# Altium PCB CameraControler0.3.PcbDoc (part 2 of 2) (continued)
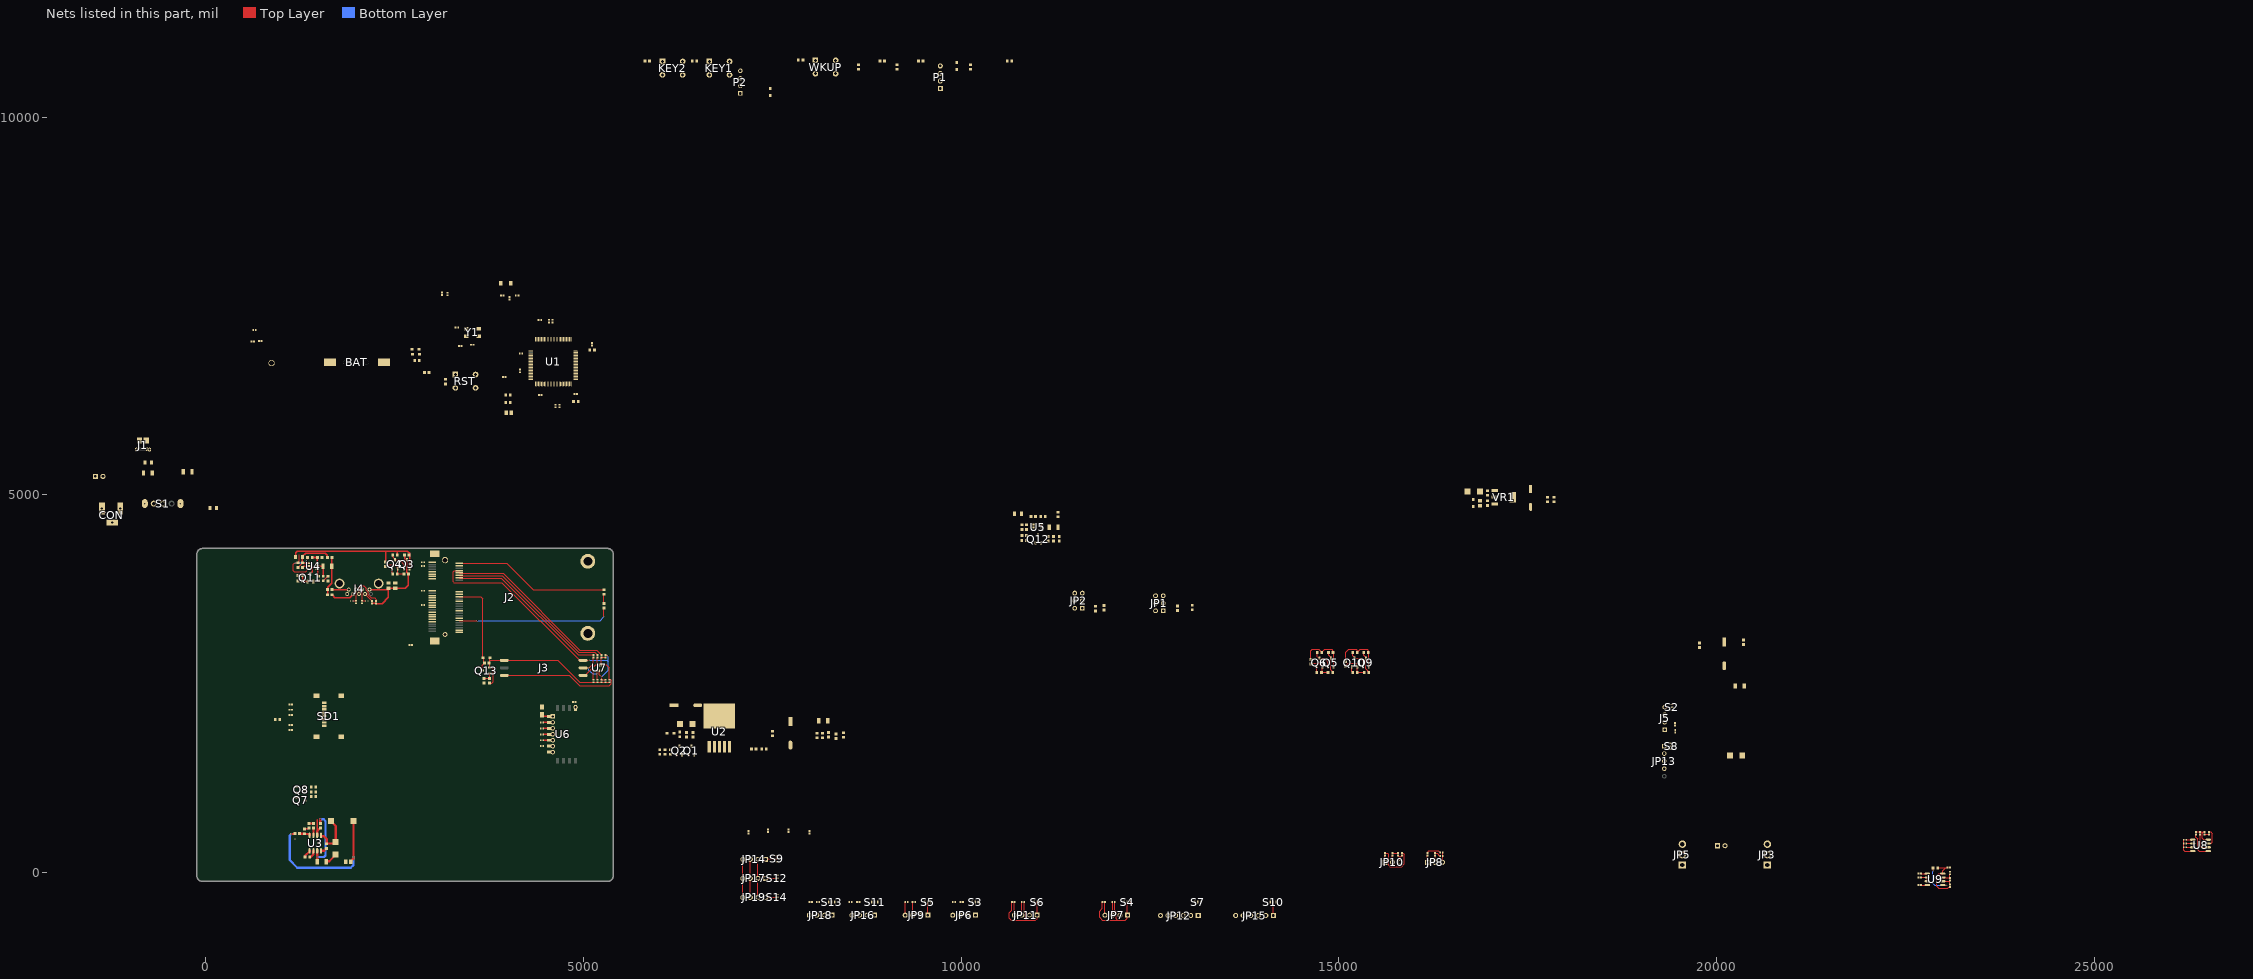
[diagram p2: the nets of this part, all layers, seen from the top]
## Part data (continued)
U6: library part MT8266WIFI, "MT8266WIFI"
U7: library part SMF05CT1G_[C15879]_i, "TVS", Package=SC-70-6(SOT-363), SuppliersPartNumber=C15879, ComponentLink1Description=供应商链接, ComponentLink1URL=http://www.szlcsc.com/product/details_16561.html, Supplier=LC
U8: "EEROM"
U9: library part MAX3485
VR1: library part "SOT-223 AMS1117-3.3", "低压差线性稳压(LDO)", Package=SOT-223, SuppliersPartNumber=C6186, ComponentLink1Description=供应商链接, ComponentLink1URL=http://www.szlcsc.com/product/details_6652.html, Supplier=LC
Y1: library part "XTAL SMD-5032_4P 8MHz 10ppm 20pF", "贴片晶振; 402F40012IKR; 8MHz 10ppm 20pF -40C +85C", CLASS=IC
Y2: library part "XTAL SMD-3215_2P 32.768KHz 20ppm 12.5pF", "贴片晶振", Package=SMD-3215_2P, SuppliersPartNumber=C32346, ComponentLink1Description=供应商链接, ComponentLink1URL=http://www.szlcsc.com/product/details_33310.html, Supplier=LC

## Via types
v1: diameter 23.62, hole 13.78, Top Layer to Bottom Layer, 60 vias
v2: diameter 20, hole 10, Top Layer to Bottom Layer, 9 vias
v3: diameter 24, hole 16, Top Layer to Bottom Layer, 4 vias
v4: diameter 157.48, hole 118.11, Top Layer to Bottom Layer, 4 vias
v5: diameter 20, hole 16, Top Layer to Bottom Layer, 2 vias

## Nets (pads, with @x,y where several pads share a name; then routed paths per layer and width w, separated by ;. In a path a pad name is that pad's centre, name@x,y a point inside that pad or via, vN(x,y) a via of type N, cw(c..) or ccw(c..) an arc to the next point about the centre after c; other vN are vias at no path point)
3.3V_VCC: C18.1 D1.1 D3.1 LED1.A LED2.A LED3.A R2.1 R15.1 R16.1 R20.1 R21.1 R22.1 R23.1 R24.1 SD1.4
3.3V_VCC.: R7.1 R9.1
3.3V_VDD: C10.1 C11.1 C12.1 C13.1 C14.1 C15.1 R6.1 U1.11 U1.19 U1.28 U1.50 U1.75 U1.100
+3.3V_VCC: C20.2 C21.1 C32.2 C50.1 Q5.2 R42.2 R44.2 R123.1 R124.1 R126.2 U8.8 VR1.2 | length 963.6
  Top Layer w11.81: C32.2@14630,2820.32 14630,2938.05 14646.95,2955 14736.3,2955 R42.2@14775.31,2915.98 ; R42.2@14775.31,2915 R42.2@14775.31,2915.98 ; Q5.2@14932.4,2722.26 14932.4,2917.76 14921.95,2928.21 14921.95,2938.05 14905,2955 14814.33,2955 R42.2@14775.31,2915.98 ; R123.1@26350,538.46 R124.1@26405,538.46 26428.08,538.46 26435,531.55 26435,523.46 ; C50.1@26465,538.46 26450,538.46 26439.04,527.51 26435,523.46 ; U8.8@26512.36,434.61 26455.39,434.61 26435,455 26435,523.46
+3.3V_VCC_4G: J2.2 J2.39 J2.41 J2.52 R28.2 R72.2 R75.1 | length 2059.1
  Top Layer w11.81: J2.2@3355,4092.95 3987.05,4092.95 4335,3745 R72.2@5270,3745
+3.3V_VCC_OUT3.3: C36.2 JP2.2 JP2.4 JP2.6 Q5.3 R44.1 R54.2 R101.1 S2.1 S3.1 S4.1 S5.1 S6.1 S7.1 S8.1 S9.1 S10.1 S11.1 S12.1 S13.1 S14.1 | length 287.4
  Top Layer w11.81: R44.1@14864.68,2915 14864.68,2877.99 14873.04,2869.64 14873.61,2869.64 14895,2848.25 Q5.3@14895,2838.4 14895,2683.58 14919.63,2658.95 C36.2@14919.63,2650.65
+3.3V_VCC_WiFi: C44.1 R41.2 U6.1 | length 114.3
  Top Layer w19.68: C44.1@4452.12,2088.43 4452.12,2083.35 4468.86,2066.61 U6.1@4554.45,2066.61
+5V_VBAT: R25.2 R26.2 S1.2
+5V_VBAT_IN: C29.2 C38.2 D4.1 D5.1 D6.2 D7.1 D10.1 F3.2 F4.2 F5.2 Q3.2 Q9.2 R35.2 R37.2 R55.2 R56.2 | length 2700.3
  Top Layer w10: C38.2@15090,2795 15090,2915 15130,2955 15229.68,2955 15245.31,2939.37 R55.2@15245.31,2915.98 ; R55.2@15245.31,2915 R55.2@15245.31,2915.98 ; Q9.2@15397.72,2722.26 15397.72,2907.91 R56.2@15390.63,2915 15390.63,2939.37 15375,2955 15285.31,2955 15259.6,2929.29 15258.62,2929.29 R55.2@15245.31,2915.98
  Top Layer w19.68: F4.2@1190,4177.28 1190,4235 1212.2,4257.2 2380.25,4257.2 ; C29.2@2380.25,4112.52 2380.25,4257.2 ; R35.2@2537.64,4206.63 2537.64,4257.2 ; Q3.2@2698.78,4024.47 2698.78,4224.8 2666.37,4257.2 2537.64,4257.2 ; 2380.25,4257.2 2537.64,4257.2
  Top Layer w23.62: F4.2@1189.92,4177.2 F4.2@1190,4177.28 ; R35.2@2534.29,4203.29 R35.2@2537.64,4206.63
+5V_VCC_CAM: R57.2 R88.1 R89.1 R136.2 | length 519.7
  Top Layer w15.75: R57.2@1668.9,4057.2 R57.2@1669.88,4058.19 ; R136.2@1669.88,4171.22 R136.2@1670.86,4172.2
  Top Layer w19.68: R89.1@1609.68,3677.83 1615,3683.15 1615,3775 1668.9,3828.9 R57.2@1668.9,4057.2 ; R57.2@1669.88,4058.19 R136.2@1669.88,4171.22
+5V_VCC_OUT: JP4.1 R65.2 R137.2
+5V_VCC_OUT5: C41.2 JP1.1 JP1.3 JP1.5 Q9.3 R46.2 R56.1 S2.3 S3.3 S4.3 S5.3 S6.3 S7.3 S8.3 S9.3 S10.3 S11.3 S12.3 S13.3 S14.3 | length 292.7
  Top Layer w11.81: R56.1@15330,2915 15330,2877.99 15338.35,2869.64 15338.92,2869.64 15360.31,2848.25 Q9.3@15360.31,2838.4 15360.31,2698.27 15385.31,2673.27 15385.31,2663.05 C41.2@15397.72,2650.65
+5V_VCC_USB: C30.2 C51.2 C52.2 J4.1 Q3.3 R37.1 R84.2 R125.2 | length 1359.5
  Top Layer w10: R37.1@2622.69,4203.28 R37.1@2622.69,4217.2
  Top Layer w19.68: J4.1@2167.8,3746.89 2169.86,3744.83 2393.31,3744.83 2411.95,3763.46 C51.2@2418.05,3763.46 ; R84.2@2200,3562.4 R125.2@2255,3562.4 2256.97,3560.43 2297.32,3560.43 2297.75,3560 2335,3560 2418.05,3643.05 C51.2@2418.05,3763.46 ; R37.1@2631.06,4203.28 2631.06,4149.8 2640.25,4140.61 Q3.3@2661.37,4140.61 2661.37,3975.79 C30.2@2683.32,3953.84 ; C30.2@2683.32,3952.85 2683.32,3806.54 2640.25,3763.46 C52.2@2508.05,3763.46 C51.2@2418.05,3763.46
ADC_CH1: R100.2 R132.1 U1.15 | length 199.6
  Top Layer w11.81: R100.2@16175,258.46 16175.98,258.46 16175.98,270.98 16195,290 16318.27,290 16336.38,271.89 16337.36,271.89 16343.27,265.98 R132.1@16343.27,265
ADC_CH2: R103.2 R104.1 U1.16 | length 84.8
  Top Layer w11.81: R103.2@16275,258.46 16280.91,252.56 16302.44,252.56 16334.02,220.98 16343.27,220.98 R104.1@16343.27,220
ADC_CH3: R106.2 R107.1 U1.17 | length 607.5
  Top Layer w11.81: R106.2@15610,258.46 15649.09,258.46 15660,247.56 15660,95 15675,80 15835,80 15870,115 15870,243.46 15855,258.46 R107.1@15835,258.46
ADC_CH4: R108.2 R109.1 U1.18 | length 75
  Top Layer w11.81: R108.2@15710,258.46 R109.1@15785,258.46
BOOT0: R7.2 R8.1 U1.94
BOOT1: R9.2 R10.1 U1.37
Cam_Connect: J4.8 R84.1 U1.4 | length 130.3
  Top Layer w11.81: J4.8@2108.74,3687.83 2108.74,3686.14 2199.02,3595.86 R84.1@2200,3595.86
Cam_TakePhoto: J4.7 R125.1 U1.5 | length 452.2
  Top Layer w10: J4.7@2030,3687.83 2030,3775 2035,3780 2050,3795 2093.46,3795 2125,3763.46 2125,3735 2148.66,3711.34 2148.66,3674.9 2187.31,3636.26 2233.74,3636.26 2255,3615 R125.1@2255,3595.86
EC25_DTR: R80.1 U1.60
EC25_PERST#: R73.1 U1.61
EC25_RI: R81.1 U1.57
EC25_W_DISABLE: R83.2 U1.88
EC25_WAKE#: R82.1 U1.62
GND: BAT.2 C1.1 C2.2 C3.1 C4.1 C5.2 C6.1 C7.2 C8.1 C9.1 C10.2 C11.2 C12.2 C13.2 C14.2 C15.2 C16.2 C17.2 C18.2 C19.1 C20.1 C21.2 C22.1 C23.2 C24.1 C25.2 C26.1 C27.1 C28.1 C29.1 C30.1 C32.1 C33.2 C34.2 C35.1 C36.1 C38.1 C40.1 C41.1 C43.1 C44.2 C45.1 C46.1 C47.1 C48.1 C49.1 C50.2 C51.1 C52.1 C53.2 C54.1 CON.2 CON.3 D6.1 D9.1 D11.1 D13.1 D14.2 D15.2 J1.5 J1.Shell J2.4 J2.9 J2.15 J2.18 J2.21 J2.26 J2.27 J2.29 J2.34 J2.35 J2.37 J2.40 J2.43 J2.50 J2.53 J2.54 J2.MH1 J2.MH2 J2.MH3 J2.MH4 J3.4 J4.5 J4.Shell J5.4 JP1.2 JP1.4 JP1.6 JP2.1 JP2.3 JP2.5 JP3.3 JP4.2 JP5.3 JP6.2 JP7.2 JP8.3 JP9.2 JP10.3 JP11.2 JP12.2 JP13.2 JP14.2 JP15.2 JP16.2 JP17.2 JP18.2 JP19.2 JP20.2 KEY1.2 KEY2.2 LED11.K LED12.K LED13.K LED14.K LED15.K LED16.K LED18.K P1.4 P2.2 Q1.2 Q2.2 Q4.2 Q6.2 Q7.2 Q8.2 Q10.2 Q11.2 Q12.2 Q13.2 R8.2 R10.2 R31.1 R33.1 R38.1 R39.1 R47.1 R49.1 R51.2 R52.1 R53.1 R61.2 R62.1 R64.2 R69.2 R71.2 R74.2 R85.2 R86.2 R87.2 R90.2 R104.2 R107.2 R109.2 R122.1 R132.2 RST.1 S1.0 SD1.6 SD1.9 SD1.10 SD1.11 SD1.12 U1.10 U1.20 U1.27 U1.74 U1.99 U2.0 U2.3 U3.5 U6.7 U7.2 U8.4 U9.5 VR1.1 WKUP.2 Y1.2 Y1.4 | length 5069.5
  Top Layer w10: 3759.21,2810 3759.21,2843.71 D13.1@3760.5,2845 ; J3.4@3951.69,2810 4660,2810 4950,2520 C47.1@5131.73,2520 C48.1@5184.57,2520 C49.1@5237.24,2520 ; C49.1@5237.4,2520 C46.1@5343.07,2520 ; v2(22869.37,23.9) C53.2@22869.37,61.54 ; U9.5@22997.36,-165 v2(23050,-165)
  Top Layer w11.81: C29.1@2380.25,4051.89 2385.57,4057.2 2405.25,4057.2 2425.25,4077.2 2525.25,4077.2 2537.64,4064.82 2537.64,4028.2 Q4.2@2541.37,4024.47 R39.1@2541.37,3959.66 ; R39.1@2540.25,3958.54 R39.1@2541.37,3959.66 ; C30.1@2622.69,3952.85 2548.19,3952.85 R39.1@2541.37,3959.66 ; R74.2@3756.83,2508.94 3788.94,2508.94 3805,2525 3805,2693.94 3786.53,2712.4 Q13.2@3759.21,2712.4 3759.21,2810 J3.4@3951.69,2810 ; JP19.2@7310,-330 JP17.2@7310,-77.5 JP14.2@7310,175 ; C32.1@14630,2759.69 14642.4,2772.09 14732.58,2772.09 14765.67,2738.99 14775.51,2738.99 14782.4,2732.1 Q6.2@14782.4,2722.26 14782.4,2662.74 R49.1@14770.32,2650.65 C36.1@14859,2650.65 ; C38.1@15090,2734.37 15090.98,2734.37 15128.7,2772.09 15229.68,2772.09 15240.51,2761.26 15240.51,2729.15 Q10.2@15247.4,2722.26 15247.4,2652.74 R62.1@15245.31,2650.65 C41.1@15337.09,2650.65 ; R109.2@15785,225 15785.98,225 15810,200.98 ; JP10.3@15810,135 15810,200.98 ; R107.2@15835,225 15834.02,225 15810,200.98 ; JP8.3@16375,135 16375.87,135.87 16375.87,224.13 16376.73,225 R132.2@16376.73,258.46 ; R85.2@26188.27,434.61 R86.2@26188.27,384.61 R87.2@26188.27,334.61 26188.27,296.34 26200,284.61 U8.4@26307.64,284.61 ; C50.2@26465,505 R122.1@26520,505
  Top Layer w20: R47.1@1305,575 1312.03,582.03 1357.97,582.03 R53.1@1365,589.05
  Top Layer w30: R51.2@1314.68,205 1317.99,208.31 1317.99,224.21 1375,281.22 U3.5@1375,287.64 ; C33.2@1599.02,151.1 1634.09,151.1 D11.1@1720,237.01
  Bottom Layer w10: v2(22869.37,23.9) 22865,19.53 22865,-140 22890,-165 v2(23050,-165)
  other v1: 1180,440
I2C1_SCL: R124.2 U1.95 U8.6 | length 269
  Top Layer w11.81: R124.2@26405,505 26405,349.61 26420,334.61 U8.6@26512.36,334.61
I2C1_SDA: R123.2 U1.96 U8.5 | length 359.1
  Top Layer w11.81: R123.2@26350,505 26350,465 26370,445 26370,305 26390,285 26511.97,285 U8.5@26512.36,284.61
I2C2_SCL: JP14.3 JP17.3 JP19.3 R114.2 U1.47 | length 505
  Top Layer w11.81: JP19.3@7210,-330 JP17.3@7210,-77.5 JP14.3@7210,175
I2C2_SDA: JP14.4 JP17.4 JP19.4 R116.2 U1.48 | length 505
  Top Layer w11.81: JP19.4@7110,-330 JP17.4@7110,-77.5 JP14.4@7110,175
I2C_SCL_OLED: R97.2 U1.84
I2C_SCL_S1: JP7.3 R98.2 U1.92 | length 183.4
  Top Layer w11.81: R98.2@12001.54,-390 12005,-386.54 JP7.3@12005,-565
I2C_SCL_S2: JP11.3 R110.2 U1.81 | length 175.7
  Top Layer w11.81: R110.2@10803.27,-390 10804.13,-390.87 10804.13,-564.13 JP11.3@10805,-565
I2C_SDA_OLED: R96.2 U1.85
I2C_SDA_S1: JP7.4 R99.2 U1.93 | length 175
  Top Layer w11.81: JP7.4@11905,-565 R99.2@11905,-390
I2C_SDA_S2: JP11.4 R111.2 U1.82 | length 175.7
  Top Layer w11.81: JP11.4@10705,-565 10706.73,-563.27 R111.2@10706.73,-390
IO1_IN: R112.2 U1.33
IO1_OUT: R102.2 U1.38
IO2_IN: R113.2 U1.34
IO2_OUT: R105.2 U1.39
KEY1: R18.1 U1.97
KEY2: R19.1 U1.98
KEY_WKUP: R1.1 R17.1 U1.23
LED1: R12.1 U1.1
LED2: R13.1 U1.2
LED3: R14.1 U1.3
LED_WWAN#: J2.42 LED10.K | length 2052.7
  Top Layer w11.81: J2.42@3355,3337.05 3592.95,3337.05 v2(3595,3335) ; v2(5270,3385) LED10.K@5270,3501.1
  Bottom Layer w11.81: v2@3595,3337.05 5220,3337.05 ; 5220,3335 v2(5270,3385)
LOG_RXD: P2.4 U1.69
LOG_TXD: P2.3 U1.68
NetBAT_1: BAT.1 D2.1
NetC1_2: C1.2 R2.2 RST.2 U1.14
NetC2_1: C2.1 R3.2 U1.12 Y1.1
NetC3_2: C3.2 U1.49
NetC4_2: C4.2 U1.73
NetC5_1: C5.1 R3.1 U1.13 Y1.3
NetC6_2: C6.2 R4.1 R5.1 U1.21
NetC7_1: C7.1 D1.2 D2.2 U1.6
NetC19_2: C19.2 C22.2 D5.2 VR1.3
NetC23_1: C23.1 C24.2 D7.2 D9.2 R29.2 R32.2 U2.2
NetC25_1: C25.1 C26.2 C27.2 C28.2 R27.2 R28.1 R30.2 R31.2 U2.4
NetC31_1: C31.1 U3.8 | length 88.3
  Top Layer w30: U3.8@1525,287.64 1566.97,287.64 1599.02,319.69 C31.1@1600,319.69
NetC31_2: C31.2 D11.2 L1.2 U3.1 | length 599.5
  Top Layer w30: U3.1@1525,492.36 1525,481.22 1526.22,480 1565,480 1600,445 C31.2@1600,380.32 1603.31,383.62 1701.26,383.62 D11.2@1720,402.36 1720,615 L1.2@1655,680
NetC33_1: C33.1 D10.2 R45.1 U3.7 | length 853.2
  Top Layer w30: U3.7@1475,287.64 v3(1475,205) 1475,146.22 C33.1@1476.22,145 ; v3(1515,705) 1516.61,703.39 1516.61,650.67 R45.1@1517.6,649.68
  Bottom Layer w30: v3(1475,205) 1565,205 1585,225 1585,680 1560,705 v3(1515,705)
NetC34_1: C34.1 C35.2 L1.1 R40.2 R41.1 R43.2 | length 1962.6
  Top Layer w30: v3(1130,511.06) 1176.38,511.06 R40.2@1179.68,514.37 1180,514.05 1179.68,513.74 R40.2@1180,513.42 ; C35.2@1920.04,145 1920.04,151.1 1955,186.06 v3(1955,205) L1.1@1955,680
  Bottom Layer w30: v3(1130,511.06) 1110,491.06 1110,165 1210.59,64.41 1919.41,64.41 1955,100 v3(1955,205)
NetC37_1: C37.1 R53.2 | length 60
  Top Layer w30: R53.2@1365,649.68 C37.1@1425,649.68
NetC37_2: C37.2 U3.3 | length 96.7
  Top Layer w30: U3.3@1425,492.36 C37.2@1425,589.05
NetC39_1: C39.1 C40.2 R57.1 R60.2 U4.2 U4.3 | length 396.2
  Top Layer w19.68: U4.2@1475.35,4057.2 R57.1@1551.57,4057.2 1553.4,4055.37 1553.4,3924.66 R60.2@1555.23,3922.83 ; U4.2@1476.43,4058.29 C40.2@1476.43,4171.12
  Top Layer w30: C39.1@1407.83,4172.2 C40.2@1477.52,4172.2 C40.2@1476.43,4171.12
NetC39_2: C39.2 R59.1 U4.6 | length 729.5
  Top Layer w15.75: 1235.23,4210 1235.23,4130 1229.72,4124.49 1229.72,4112.64 R59.1@1219.29,4102.2 v5(1177.4,4102.2) 1160.23,4085.04 1160.23,3995 1169.61,3985.63 1321.1,3985.63 1355.27,4019.8 U4.6@1365.12,4019.8 ; C39.2@1336.77,4182.64 C39.2@1347.2,4172.2 1347.2,4136.97 v5(1345.23,4135)
  Bottom Layer w15.75: v5(1177.4,4102.2) 1179.6,4100 1310.23,4100 v5(1345.23,4135)
NetC42_1: C42.1 C43.2 R65.1 R67.2 U5.2 U5.3
NetC42_2: C42.2 R68.1 U5.6
NetC46_2: C46.2 J3.6 R76.1 R79.2 U7.1 | length 1992.1
  Top Layer w10: J3.6@3951.69,2610 4810,2610 4950,2470 5340,2470 5370,2500 5370,2538.46 5351.73,2556.73 5343.07,2556.73 C46.2@5344.6,2558.27 ; U7.1@5233.86,2754.06 5233.86,2844.88 R79.2@5237.24,2848.27 R76.1@5290,2848.27 ; U7.1@5235.59,2748.19 5305,2748.19 5343.07,2710.12 C46.2@5343.07,2553.46
NetC47_2: C47.2 J3.3 R78.2 U7.3 | length 509.1
  Top Layer w10: J3.3@4995,2610 5021.81,2610 5131.73,2719.92 ; C47.2@5131.73,2553.46 5131.73,2719.92 ; U7.3@5181.95,2753.33 5181.95,2845.73 R78.2@5184.49,2848.27 ; U7.3@5184.41,2748.19 5160,2748.19 5131.73,2719.92
NetC48_2: C48.2 J3.2 R77.2 U7.4 | length 525.7
  Top Layer w10: J3.2@4995,2710 v2(5069.06,2710) 5075.08,2710 5131.73,2766.65 R77.2@5131.73,2848.27 ; U7.4@5184.41,2671.81 5184.45,2671.77 v2(5184.45,2630) 5184.45,2553.5 C48.2@5184.49,2553.46
  Bottom Layer w10: v2(5069.06,2710) 5070,2709.06 5070,2680 5120,2630 v2(5184.45,2630)
NetC53_1: C53.1 R92.2 R101.2 U9.8 | length 635.8
  Top Layer w11.81: C53.1@22930,61.54 23035,61.54 ; R101.2@23058.07,61.54 23035,61.54 ; R92.2@23091.54,-191.73 23078.27,-191.73 23065,-205 22945,-205 22920,-180 22920,-39.21 22944.21,-15 U9.8@22997.36,-15 22997.36,23.9 23035,61.54
NetCON_1: CON.1 JP20.1 R26.1
NetD3_2: D3.2 P1.1
NetD4_2: D4.2 P2.1
NetD14_1: D14.1 J4.3 R134.2 | length 193.4
  Top Layer w11.81: D14.1@1946.54,3597.6 R134.2@1990.63,3597.6 J4.3@1990.63,3746.89
NetD15_1: D15.1 J4.2 R133.2 | length 193.4
  Top Layer w11.81: J4.2@2069.37,3746.89 R133.2@2069.37,3597.6 D15.1@2113.46,3597.6
NetF1_1: F1.1 R25.1
NetF1_2: F1.2 J1.1
NetF3_1: F3.1 S1.3
NetF4_1: F4.1 R58.2 R59.2 R136.1 U4.4 | length 646.6
  Top Layer w15.75: R58.2@1219.6,4038.19 R59.2@1271.46,4090.04
  Top Layer w19.68: R58.2@1219.6,4037.2 R58.2@1219.6,4038.19 ; R59.2@1271.46,4090.04 1271.46,4093.74 R59.2@1279.92,4102.2 ; U4.4@1365.12,4094.61 1363.15,4096.57 1285.55,4096.57 R59.2@1279.92,4102.2 ; R136.1@1610.23,4172.2 1604.92,4177.52 1604.92,4203.29 1581,4227.2 1322.42,4227.2 1279.92,4184.7 F4.1@1279.92,4177.2 R59.2@1279.92,4102.2
NetF5_1: F5.1 R66.2 R68.2 R137.1 U5.4
NetJ2_1: J2.1 R75.2 R82.2
NetJ2_17: J2.17 R81.2
NetJ2_20: J2.20 R83.1
NetJ2_31: J2.31 R80.2
NetJ4_4: J4.4 R88.2 | length 223.5
  Top Layer w19.68: R88.2@1670.86,3748.09 1674.12,3744.83 1890.14,3744.83 J4.4@1892.2,3746.89
NetJ4_6: J4.6 R89.2 | length 317
  Top Layer w19.68: R89.2@1670.31,3677.83 1670.31,3676.85 1678.78,3668.38 1679.76,3668.38 1708.15,3640 1903.43,3640 J4.6@1951.26,3687.83
NetJ5_1: J5.1 R96.1
NetJ5_2: J5.2 R97.1
NetJ5_3: J5.3 S2.2
NetJP3_1: JP3.1 JP5.1 R90.1 R94.1 U9.7 | length 141.7
  Top Layer w11.81: U9.7@22997.36,-65 23000.38,-68.01 R94.1@23086.28,-68.01 ; R94.1@23091.54,-73.27 R90.1@23091.54,-21.73
NetJP3_2: JP3.2 JP5.2 R92.1 R94.2 U9.6 | length 144.5
  Top Layer w11.81: U9.6@22997.36,-115 22999.86,-112.5 23089.04,-112.5 23091.54,-110 R92.1@23091.54,-158.27
NetJP6_1: JP6.1 S3.2
NetJP6_3: JP6.3 R102.1
NetJP6_4: JP6.4 R105.1
NetJP7_1: JP7.1 R98.1 R99.1 S4.2 | length 1076.7
  Top Layer w11.81: R99.1@11871.53,-390 11871.53,-474.72 11835,-511.26 11835,-595 11870,-630 12070,-630 ; R98.1@12035,-390 12035,-505 12055,-525 12055,-615 12070,-630 ; S4.2@12200,-392.89 12200,-560 12200.11,-560.11 12200.11,-604.89 12175,-630 12070,-630
NetJP8_1: JP8.1 R100.1 | length 90
  Top Layer w11.81: JP8.1@16175,135 R100.1@16175,225
NetJP8_2: JP8.2 R103.1 | length 90
  Top Layer w11.81: JP8.2@16275,135 R103.1@16275,225
NetJP9_1: JP9.1 S5.2 | length 172.1
  Top Layer w11.81: JP9.1@9560,-565 S5.2@9560,-392.89
NetJP9_3: JP9.3 R112.1 | length 175.7
  Top Layer w11.81: R112.1@9358.27,-390 9359.13,-390.87 9359.13,-564.13 JP9.3@9360,-565
NetJP9_4: JP9.4 R113.1 | length 175.6
  Top Layer w11.81: JP9.4@9260,-565 9260.77,-564.23 9260.77,-390.77 R113.1@9261.54,-390
NetJP10_1: JP10.1 R106.1 | length 90
  Top Layer w11.81: JP10.1@15610,135 R106.1@15610,225
NetJP10_2: JP10.2 R108.1 | length 90
  Top Layer w11.81: JP10.2@15710,135 R108.1@15710,225
NetJP11_1: JP11.1 R110.1 R111.1 S6.2 | length 1083.3
  Top Layer w11.81: R111.1@10673.27,-390 10673.27,-496.73 10640,-530 10640,-605 10665,-630 10870,-630 ; R110.1@10836.73,-390 10836.73,-511.73 10855,-530 10855,-615 10870,-630 ; S6.2@11005,-392.89 JP11.1@11005,-565 11005,-610 10985,-630 10870,-630
NetJP12_1: JP12.1 S7.2
NetJP13_1: JP13.1 S8.2
NetJP13_3: JP13.3 R115.1
NetJP13_4: JP13.4 R117.1
NetJP14_1: JP14.1 R114.1 R116.1 S9.2 | length 154.1
  Top Layer w11.81: JP14.1@7410,175 7420,185 S9.2@7560,185
NetJP15_1: JP15.1 S10.2 | length 176.1
  Top Layer w11.81: JP15.1@14135,-569 S10.2@14135,-392.89
NetJP16_1: JP16.1 S11.2
NetJP16_3: JP16.3 R118.1
NetJP16_4: JP16.4 R119.1
NetJP17_1: JP17.1 S12.2 | length 150
  Top Layer w11.81: JP17.1@7410,-77.5 S12.2@7560,-77.5
NetJP18_1: JP18.1 S13.2
NetJP18_3: JP18.3 R120.1
NetJP18_4: JP18.4 R121.1
NetJP19_1: JP19.1 S14.2 | length 150
  Top Layer w11.81: JP19.1@7410,-330 S14.2@7560,-330
NetKEY1_1: KEY1.1 R18.2
NetKEY2_1: KEY2.1 R19.2
NetLED1_K: LED1.K R12.2
NetLED2_K: LED2.K R13.2
NetLED3_K: LED3.K R14.2
NetLED10_A: LED10.A R72.1 | length 122.6
  Top Layer w11.81: LED10.A@5270,3561.73 R72.1@5270,3684.37
NetLED11_A: LED11.A R27.1
NetLED12_A: LED12.A R43.1
NetLED13_A: LED13.A R60.1 | length 89.9
  Top Layer w15.75: R60.1@1556.22,3862.2 LED13.A@1607.76,3913.74
  Top Layer w19.68: R60.1@1555.23,3862.2 R60.1@1556.22,3862.2 ; LED13.A@1607.76,3913.74 1611.77,3913.74 LED13.A@1620.23,3922.2
NetLED14_A: LED14.A R67.1
NetLED15_A: LED15.A R46.1
NetLED16_A: LED16.A R54.1
NetLED18_A: LED18.A R126.1
NetQ1_1: Q1.1 Q2.3 R32.1 R34.2
NetQ1_3: Q1.3 R29.1 U2.1
NetQ2_1: Q2.1 R34.1 R36.2 R38.2
NetQ3_1: Q3.1 Q4.3 R35.1 | length 301.4
  Top Layer w10: R35.1@2474.25,4217.2 2474.25,4180.17 2496.81,4157.62 2503.97,4150.45 Q4.3@2503.97,4140.61 2566.85,4140.61 2623.97,4083.48 Q3.1@2623.97,4024.47 ; Q4.3@2497.04,4157.85 Q4.3@2503.97,4150.92
NetQ5_1: Q5.1 Q6.3 R42.1 | length 319.6
  Top Layer w11.81: R42.1@14714.68,2915 14714.68,2860.32 14727.8,2847.2 14738.11,2847.2 14745,2840.31 Q6.3@14745,2838.4 14745,2828.56 14751.89,2821.67 14751.89,2833.48 14816.83,2833.48 14857.6,2792.72 Q5.1@14857.6,2722.26
NetQ7_1: Q7.1 Q8.3 R48.2
NetQ7_3: Q7.3 R45.2 U3.2 | length 265.6
  Top Layer w20: 1476.22,549.29 1476.22,699.37
  Top Layer w30: U3.2@1475,492.36 1476.22,493.58 1476.22,549.29 1516.61,589.69 R45.2@1517.6,589.69
NetQ8_1: Q8.1 R48.1 R50.2 R52.2
NetQ9_1: Q9.1 Q10.3 R55.1 | length 291.2
  Top Layer w11.81: R55.1@15184.68,2915 15184.68,2873.56 15210,2848.25 Q10.3@15210,2838.4 15280.39,2838.4 15322.91,2795.88 Q9.1@15322.91,2722.26
NetQ11_1: Q11.1 R63.2 R64.1 | length 141.2
  Top Layer w19.68: R63.2@1280.24,3932.2 R64.1@1280.23,3862.2 1284.45,3857.99 1343.9,3857.99 1347.83,3854.05 Q11.1@1347.83,3853.78
NetQ11_3: Q11.3 R58.1 U4.5 | length 239.7
  Top Layer w19.68: R58.1@1280.23,4037.2 1280.23,4038.19 1299.25,4057.2 U4.5@1365.12,4057.2 1367.08,4055.24 1390.79,4055.24 1407.83,4038.19 1407.83,3985.63 1385.23,3963.03 Q11.3@1385.23,3952.2
NetQ12_1: Q12.1 R70.2 R71.1
NetQ12_3: Q12.3 R66.1 U5.5
NetQ13_1: Q13.1 R73.2 R74.1 | length 141.7
  Top Layer w11.81: R73.2@3685,2570.31 3756.09,2570.31 R74.1@3756.83,2569.57 3756.83,2635.22 Q13.1@3759.21,2637.6
  Top Layer w20: R73.2@3685,2570.31 R73.2@3685.37,2569.94
NetR5_2: R5.2 TPH.1
NetR17_2: R17.2 WKUP.1
NetR30_1: R30.1 R33.2 U2.5
NetR40_1: R40.1 R47.2 U3.4 | length 154
  Top Layer w30: R40.1@1240.31,514.37 1303.62,514.37 1306.93,511.06 1373.78,511.06 1375,509.84 U3.4@1375,492.36
NetR51_1: R51.1 U3.6 | length 160.4
  Top Layer w30: R51.1@1375.31,205 1390,205 1423.78,238.78 1423.78,286.42 U3.6@1425,287.64 1425,239.05
NetR61_1: R61.1 U4.1 | length 106.3
  Top Layer w19.68: U4.1@1475.35,4019.8 1480.83,4019.8 1482.79,4017.83 1482.79,3930.27 R61.1@1490.23,3922.83
NetR69_1: R69.1 U5.1
NetR85_1: R85.1 U8.1 | length 85.9
  Top Layer w11.81: R85.1@26221.73,434.61 U8.1@26307.64,434.61
NetR86_1: R86.1 U8.2 | length 85.9
  Top Layer w11.81: R86.1@26221.73,384.61 U8.2@26307.64,384.61
NetR87_1: R87.1 U8.3 | length 85.9
  Top Layer w11.81: R87.1@26221.73,334.61 U8.3@26307.64,334.61
NetR91_2: R91.2 U9.1 | length 82.6
  Top Layer w11.81: R91.2@22710,-15 U9.1@22792.64,-15
NetR93_2: R93.2 U9.2 U9.3 | length 132.6
  Top Layer w11.81: R93.2@22710,-65 U9.2@22792.64,-65 U9.3@22792.64,-115
NetR95_2: R95.2 U9.4 | length 82.6
  Top Layer w11.81: R95.2@22710,-165 U9.4@22792.64,-165
NetR122_2: R122.2 U8.7 | length 233.6
  Top Layer w11.81: U8.7@26512.36,384.61 26515.38,387.62 26552.62,387.62 26568.46,403.46 26568.46,515 26545,538.46 R122.2@26520,538.46
NetR127_2: R127.2 U6.2 | length 87.7
  Top Layer w19.68: R127.2@4466.73,1987.87 U6.2@4554.45,1987.87
NetR128_2: R128.2 U6.3 | length 87.8
  Top Layer w19.68: R128.2@4466.73,1908.96 R128.2@4466.73,1908.96 4554.36,1909.05 U6.3@4554.45,1909.13
NetR129_2: R129.2 U6.4 | length 87.7
  Top Layer w19.68: R129.2@4466.73,1830.39 U6.4@4554.45,1830.39
NetR130_2: R130.2 U6.5 | length 87.7
  Top Layer w19.68: R130.2@4466.73,1751.65 U6.5@4554.45,1751.65
NetR131_2: R131.2 U6.6
NetR135_1: R135.1 U6.12
OSC32_IN: C16.1 R11.2 U1.8 Y2.2
OSC32_OUT: C17.1 R11.1 U1.9 Y2.1
PRESET: C45.2 D13.2 J2.22 Q13.3 | length 1294.6
  Top Layer w10: D13.2@3667.59,2845 D13.2@3680,2832.59 ; C45.2@3680,2784.69 C45.2@3689.69,2775 C45.2@3689.69,2774.02
  Top Layer w11.81: J2.22@3355,3652.01 3640,3652.01 3667.59,3624.42 D13.2@3667.59,2845 ; Q13.3@3660.79,2675 3660.79,2745.12 C45.2@3689.69,2774.02 ; C45.2@3680,2784.69 D13.2@3680,2832.59
PWRER_CAM: R63.1 U1.43
PWRER_MIC: R36.1 U1.41
PWRER_MP: R50.1 U1.40
PWRER_OUT: R70.1 U1.42
PWRER_OUT3.3: Q6.1 R49.2 U1.45 | length 72.5
  Top Layer w11.81: Q6.1@14707.6,2722.26 14707.6,2652.74 R49.2@14709.69,2650.65
PWRER_OUT5: Q10.1 R62.2 U1.46 | length 76.6
  Top Layer w11.81: Q10.1@15172.6,2722.26 15172.6,2662.73 R62.2@15184.68,2650.65
PWRER_USB: Q4.1 R39.2 U1.44 | length 74.8
  Top Layer w11.81: Q4.1@2466.57,4024.47 2466.57,3960.53 R39.2@2474.25,3952.85
RS485_RE: R93.1 U1.36
SDIO_CMD: R22.2 SD1.3 U1.83
SDIO_D0: R23.2 SD1.7 U1.65
SDIO_D1: R24.2 SD1.8 U1.66
SDIO_D2: R20.2 SD1.1 U1.78
SDIO_D3: R21.2 SD1.2 U1.79
SDIO_SCK: SD1.5 U1.80
SPI2_CSN: JP12.3 U1.51
SPI2_MISO: JP12.5 U1.53
SPI2_MOSI: JP12.6 U1.54
SPI2_SCLK: JP12.4 U1.52
SPI3_CSN: JP15.3 U1.77
SPI3_MISO: JP15.5 U1.90
SPI3_MOSI: JP15.6 U1.91
SPI3_SCLK: JP15.4 U1.89
SWCLK: P1.3 U1.76
SWDIO: P1.2 U1.72
UART2_RXD_1: R119.2 U1.26
UART2_RXD_2: R121.2 U1.87
UART2_TXD_1: R118.2 U1.25
UART2_TXD_2: R120.2 U1.86
UART3_CTS: J2.25 U1.58
UART3_RTS: J2.23 U1.59
UART3_RXD: J2.13 U1.56
UART3_TXD: J2.11 U1.55
UART4_RXD: R115.2 U1.24
UART4_TXD: R1.2 R117.2
UART6_RXD: R91.1 U1.64
UART6_TXD: R95.1 U1.63
USB_DM: R133.1 U1.70
USB_DP: R134.1 U1.71
USIM_CLK: J2.12 R78.1 | length 2266
  Top Layer w10: J2.12@3355,3935.47 3360,3930.47 3924.07,3930.47 4939.54,2915 5151.22,2915 R78.1@5184.49,2881.73
USIM_DATA: J2.10 R79.1 | length 2331.8
  Top Layer w10: J2.10@3355,3966.97 3360,3961.97 3937.12,3961.97 4954.08,2945 5173.98,2945 R79.1@5237.24,2881.73
USIM_RST: J2.14 R77.1 | length 2200.2
  Top Layer w10: J2.14@3355,3903.98 3360,3898.98 3911.02,3898.98 4928.27,2881.73 R77.1@5131.73,2881.73
USIM_VDD: C49.2 C54.2 J2.8 J3.1 R76.2 U7.5 | length 3233.6
  Top Layer w10: J2.8@3360,3993.46 J2.8@3355,3998.46 3288.46,3998.46 3275,3985 3275,3850 3285,3840 3920,3840 4950,2810 J3.1@4940,2810 ; J3.1@4995,2810 v2(5075.08,2810) ; U7.5@5210,2671.81 5210,2621.26 v2(5240.91,2590.34) 5240.91,2556.98 C49.2@5237.4,2553.46 C54.2@5290.23,2553.46 ; R76.2@5290,2881.73 5292.23,2879.5 5317.79,2879.5 5327.29,2870 v2(5330,2870)
  Bottom Layer w10: v2(5075.08,2810) 5310,2810 5330,2790 ; v2(5240.91,2590.34) 5330,2679.43 5330,2790 ; v2(5330,2870) 5330,2790
VDD3.3: R15.2 R16.2
VDDA: C8.2 C9.2 R4.2 R6.2 U1.22
WiFi_EN: R135.2 U1.35
WiFi_MISO: R128.1 U1.31
WiFi_MOSI: R129.1 U1.32
WiFi_nCS: R130.1 U1.29
WiFi_nRST: R131.1 U1.67
WiFi_SCLK: R127.1 U1.30
pads on no net: BAT.0 J1.2 J1.3 J1.4 J2.3 J2.5 J2.6 J2.7 J2.16 J2.19 J2.24 J2.28 J2.30 J2.32 J2.33 J2.36 J2.38 J2.44 J2.45 J2.46 J2.47 J2.48 J2.49 J2.51 J3.5 J4.9 JP13.5 S1.1 U1.7 U6.8 U6.9 U6.10 U6.11 U6.13 U6.14 U6.15 U7.6
copper on no net:
  other v1: 1800,110 1800,135 1800,165 1800,190 1180,295 1210,295 1240,295 1265,295 1290,295 1320,295 1180,325 1210,325 1240,325 1265,325 1290,325 1320,325 1390,350 1420,350 1445,350 1470,350 1500,350 1180,355 1210,355 1240,355 1265,355 1290,355 1320,355 1390,380 1420,380 1445,380 1470,380 1500,380 1180,385 1210,385 1240,385 1265,385 1290,385 1320,385 1180,410 1210,410 1240,410 1265,410 1290,410 1320,410 1390,410 1420,410 1445,410 1470,410 1500,410 1390,435 1420,435 1445,435 1470,435 1500,435 1210,440 1240,440 1265,440 1290,440 1320,440
  other v4: 0,0 5275.59,0 0,4173.23 5275.59,4173.23

## Keep-outs
Keep-Out Layer:
  lines w10: -118.11,-43.31 -118.11,4216.53 cw(c-43.31,4216.54) -43.31,4291.34 5318.9,4291.34 cw(c5318.9,4216.54) 5393.7,4216.54 5393.7,-43.31 cw(c5318.9,-43.31) 5318.9,-118.11 -43.31,-118.11 ; -117.91,-43.11 ccw(c-43.11,-43.11) -43.11,-117.91

## Text inside footprints (layer, text, board x,y; h text height)
J1: Mechanical 2 "PCB Edge" at -788.65,5799.17 h16 r180
J2: Top Overlay "1" at 2981.73,4131.7 h47.24 r90
J4: Bottom Overlay "NC" at 2205,3934.28 h39.37 r90; Bottom Overlay "IN" at 2118,3931 h39.37 r90; Bottom Overlay "ACT" at 2038,3953.96 h39.37 r90; Bottom Overlay "DC" at 1961,3934.28 h39.37 r90; Bottom Overlay "GND" at 1893,3953.96 h39.37 r90; Bottom Overlay "VCC" at 2162,4108.68 h39.37 r90; Bottom Overlay "DM" at 2085,4089 h39.37 r90; Bottom Overlay "DP" at 2003,4089 h39.37 r90; Bottom Overlay "DC" at 1929,4089 h39.37 r90
J5: Top Overlay "VCC" at 19220,2135 h50 r270; Top Overlay "SDA" at 19220,1935 h50 r270; Top Overlay "SCL" at 19220,2030.63 h50 r270; Top Overlay "GND" at 19225,2240 h50 r270
JP1: Top Overlay "1" at 12695,3375 h40 r90; Top Overlay "2" at 12595,3365 h40 r90; Top Overlay "5" at 12695,3725 h40 r90; Top Overlay "6" at 12595,3725 h40 r90
JP2: Top Overlay "1" at 11625,3410 h40 r90; Top Overlay "2" at 11525,3400 h40 r90; Top Overlay "5" at 11625,3760 h40 r90; Top Overlay "6" at 11525,3760 h40 r90
JP13: Top Overlay "PPS" at 19225,1305 h23.62 r270; Top Overlay "RX" at 19225,1390 h23.62 r270; Top Overlay "TX" at 19225,1495 h23.62 r270; Top Overlay "GND" at 19225,1600 h23.62 r270; Top Overlay "VBAT" at 19225,1715 h23.62 r270; Top Overlay "GPS" at 18957,1617 h157.48 r270
P2: Top Overlay "VCC" at 7167.55,10268 h50 r90; Top Overlay "RX" at 7167,10488 h50 r90; Top Overlay "TX" at 7167,10588 h50 r90; Top Overlay "GND" at 7205,10250 h50 r90
S2: Top Overlay "1" at 19401,2250 h15.75 r270
S3: Top Overlay "1" at 10125.63,-401.89 h15.75
S4: Top Overlay "1" at 12135.63,-401.89 h15.75
S5: Top Overlay "1" at 9495.63,-401.89 h15.75
S6: Top Overlay "1" at 10940.63,-401.89 h15.75
S7: Top Overlay "1" at 13070,-401.89 h15.75
S8: Top Overlay "1" at 19391,1739.37 h15.75 r270
S9: Top Overlay "1" at 7551,249.37 h15.75 r270
S10: Top Overlay "1" at 14070.63,-401.89 h15.75
S11: Top Overlay "1" at 8790.63,-399 h15.75
S12: Top Overlay "1" at 7551,-13.13 h15.75 r270
S13: Top Overlay "1" at 8225.63,-399.77 h15.75
S14: Top Overlay "1" at 7551,-265.63 h15.75 r270